# Altium PCB SwarmBotv1.PcbDoc (part 1 of 2)
Units mil, origin at the board's own origin, x right, y up, seen from the top; angles counter-clockwise.
Board outline 2362.21 x 3543.31 mil, 4 copper layers (L1 (signal), Int1 (GND), Int2 (PWR), L4 (signal)), stack 30.945 mil thick; 75 components, 57 nets, 268 pads, 175 vias.
Unrouted connection lines stored in the file: 7.
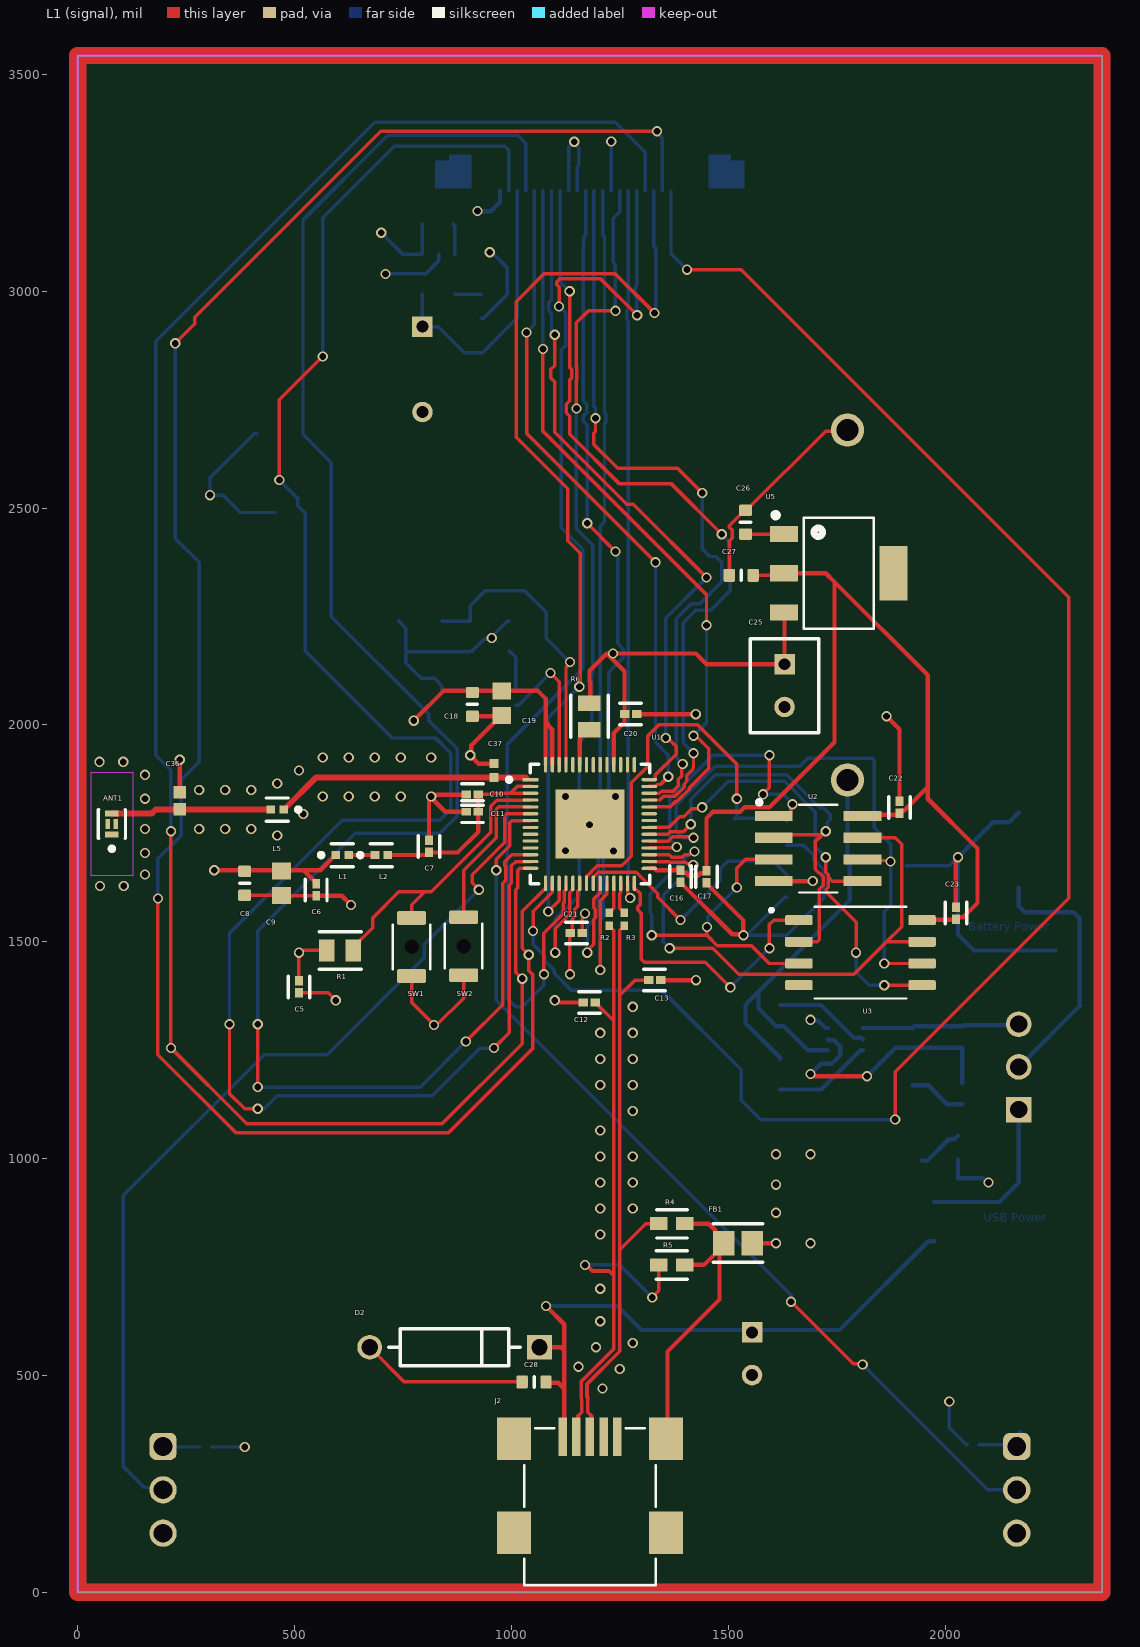
[diagram p0: L1 (signal) view]
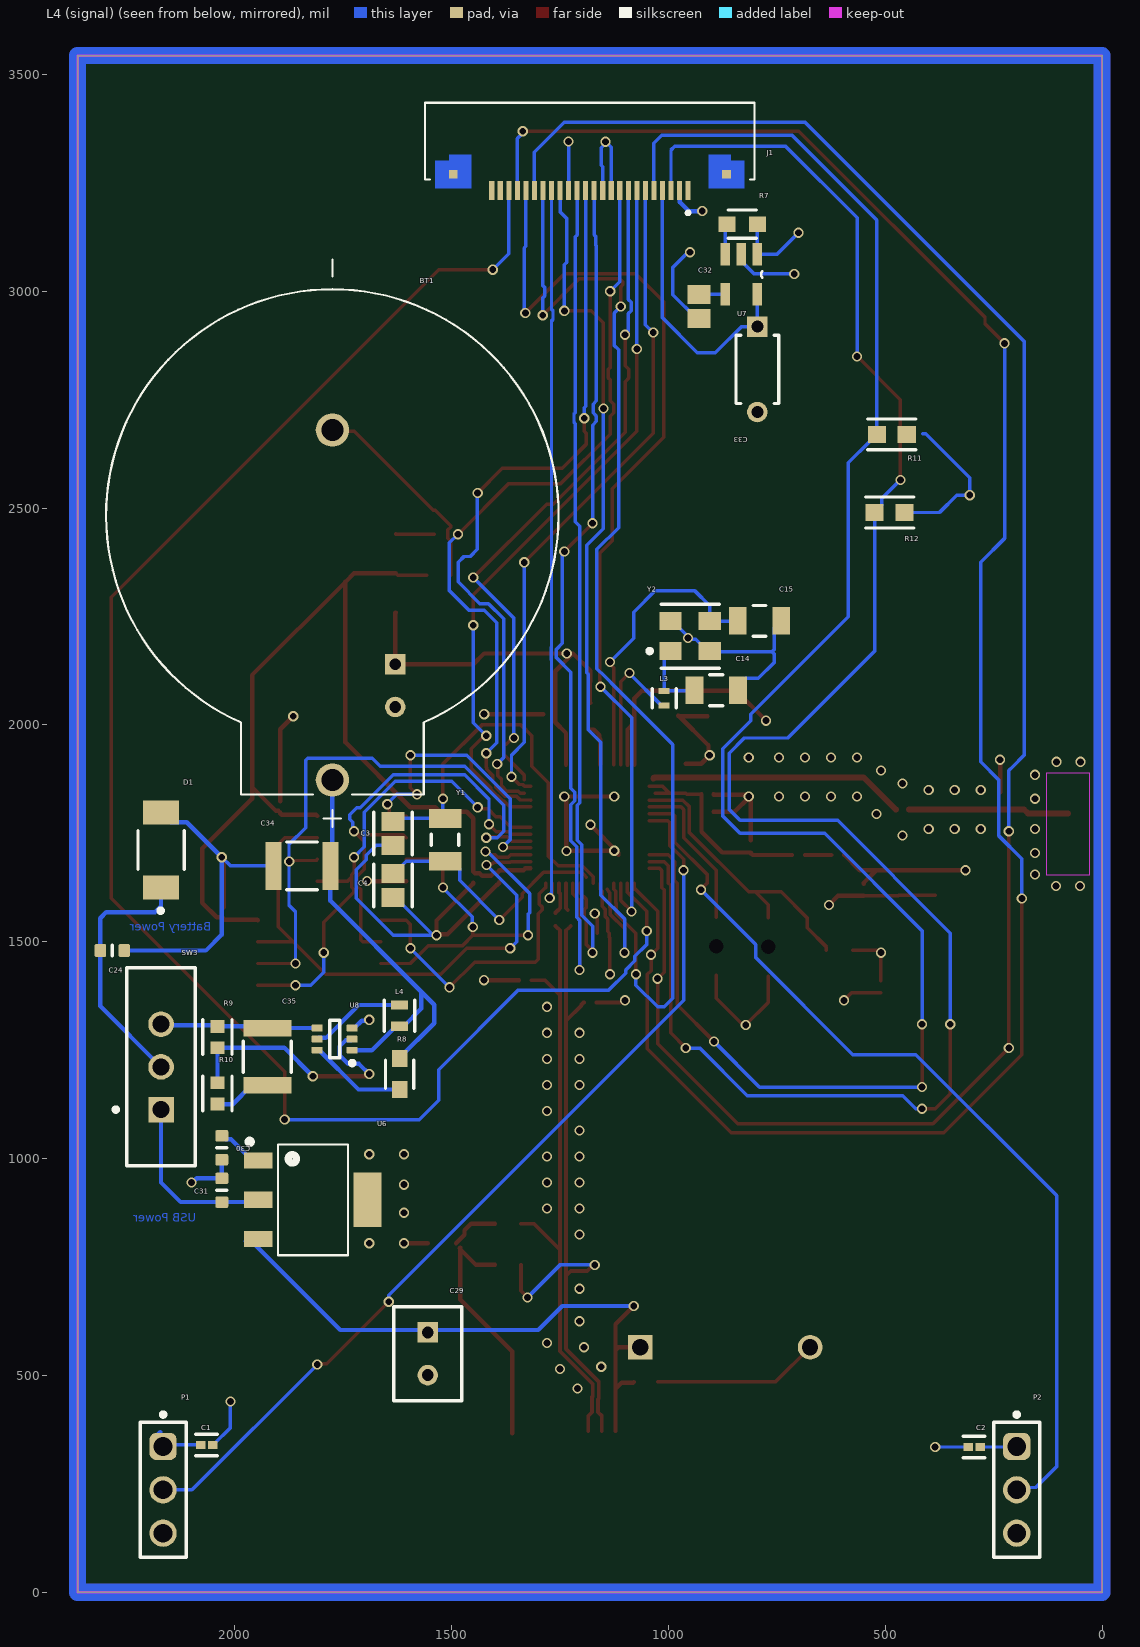
[diagram p1: L4 (signal) view, seen from below]
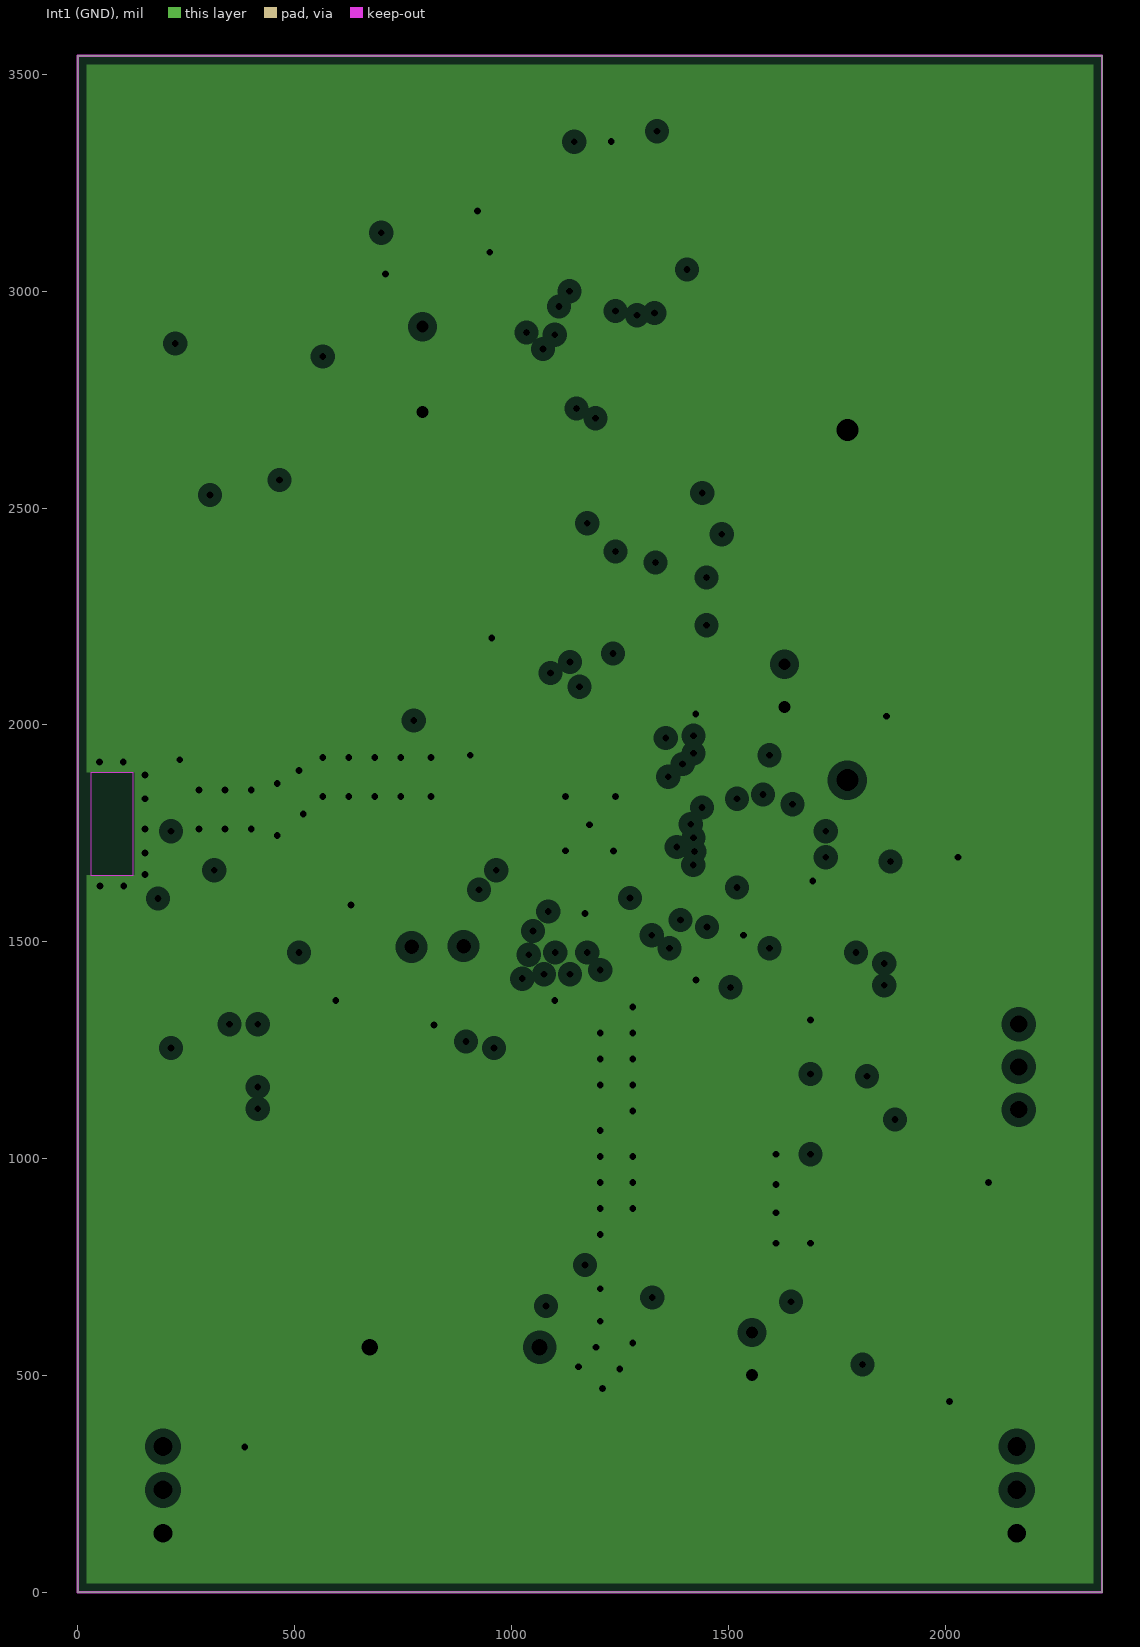
[diagram p2: Int1 (GND), clearances drawn from the general rule]
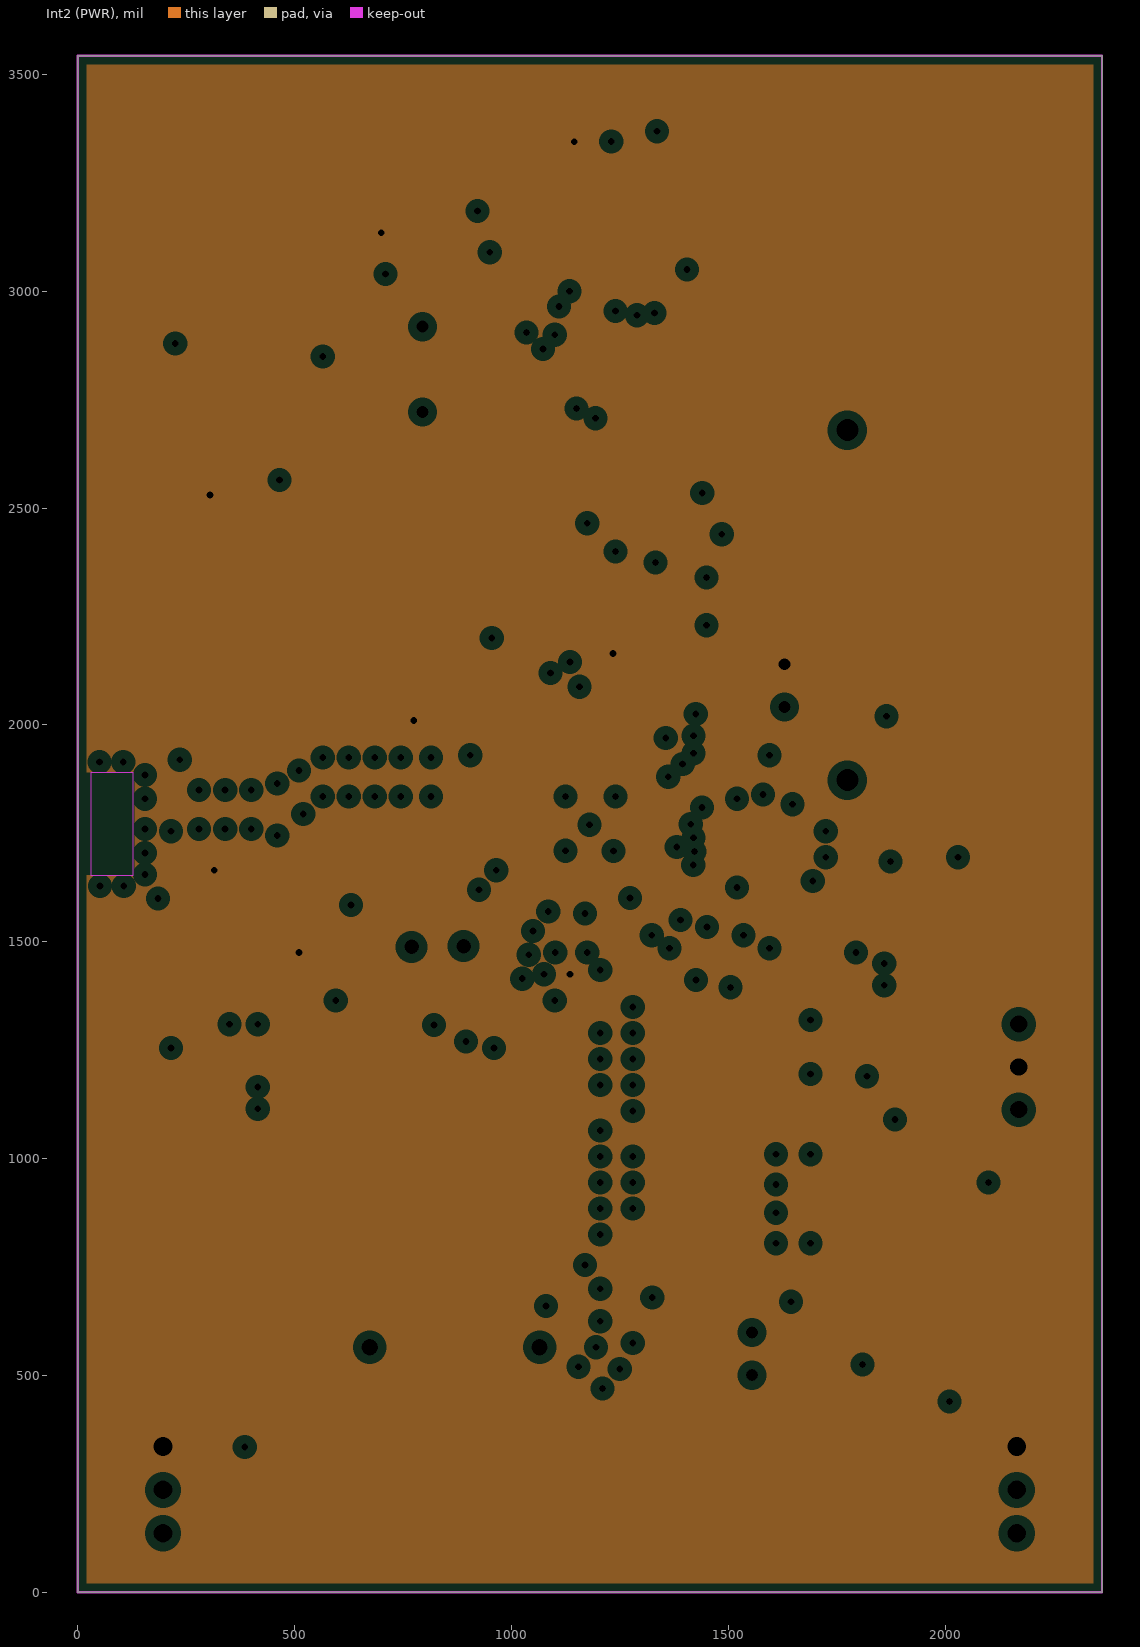
[diagram p3: Int2 (PWR), clearances drawn from the general rule]
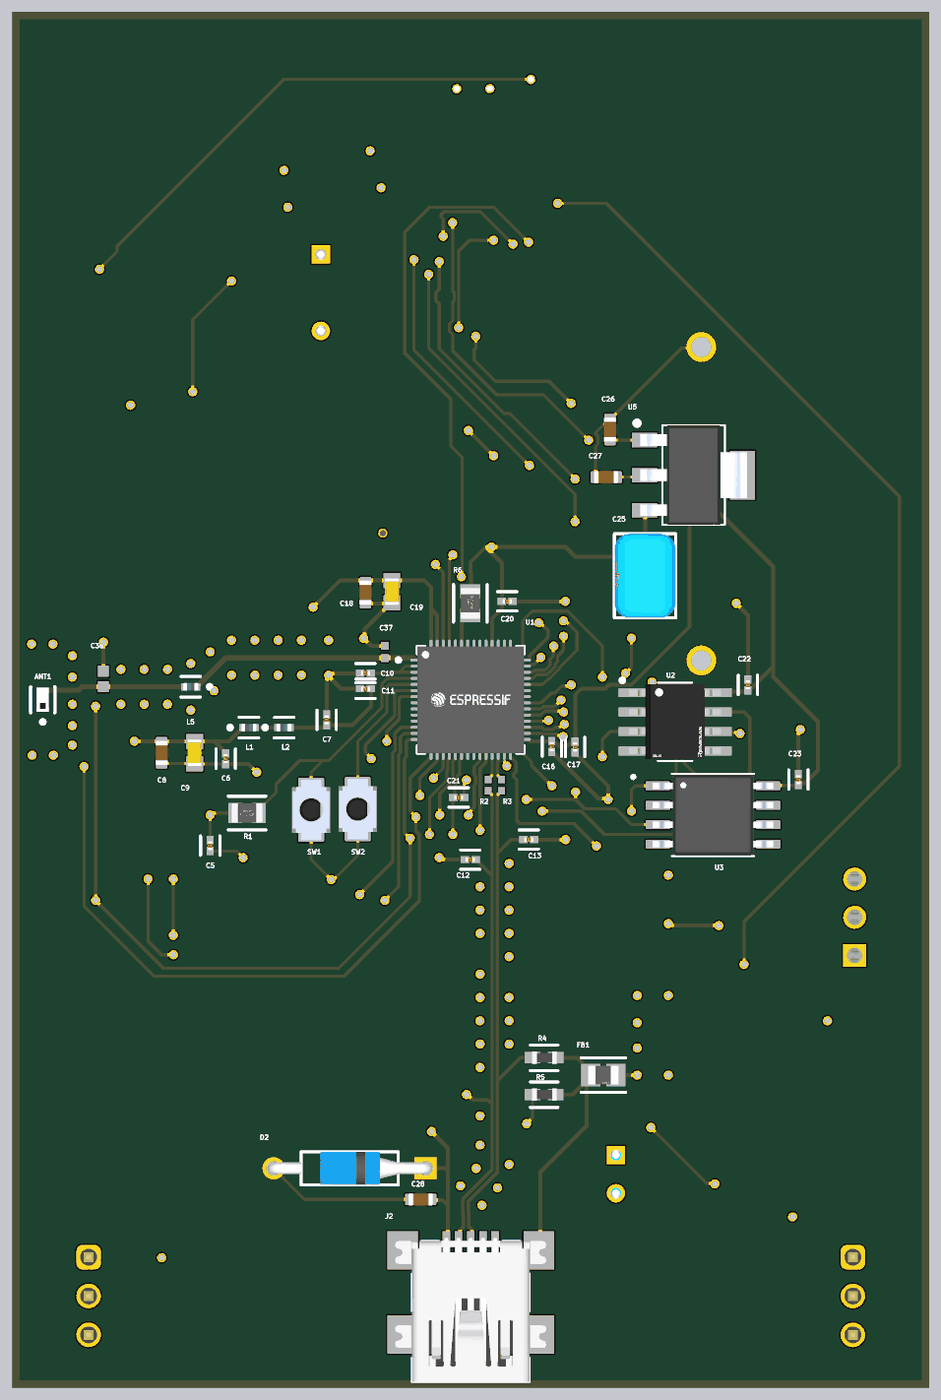
[diagram p5: 3D render of the assembled board from above, using the file's embedded part models]
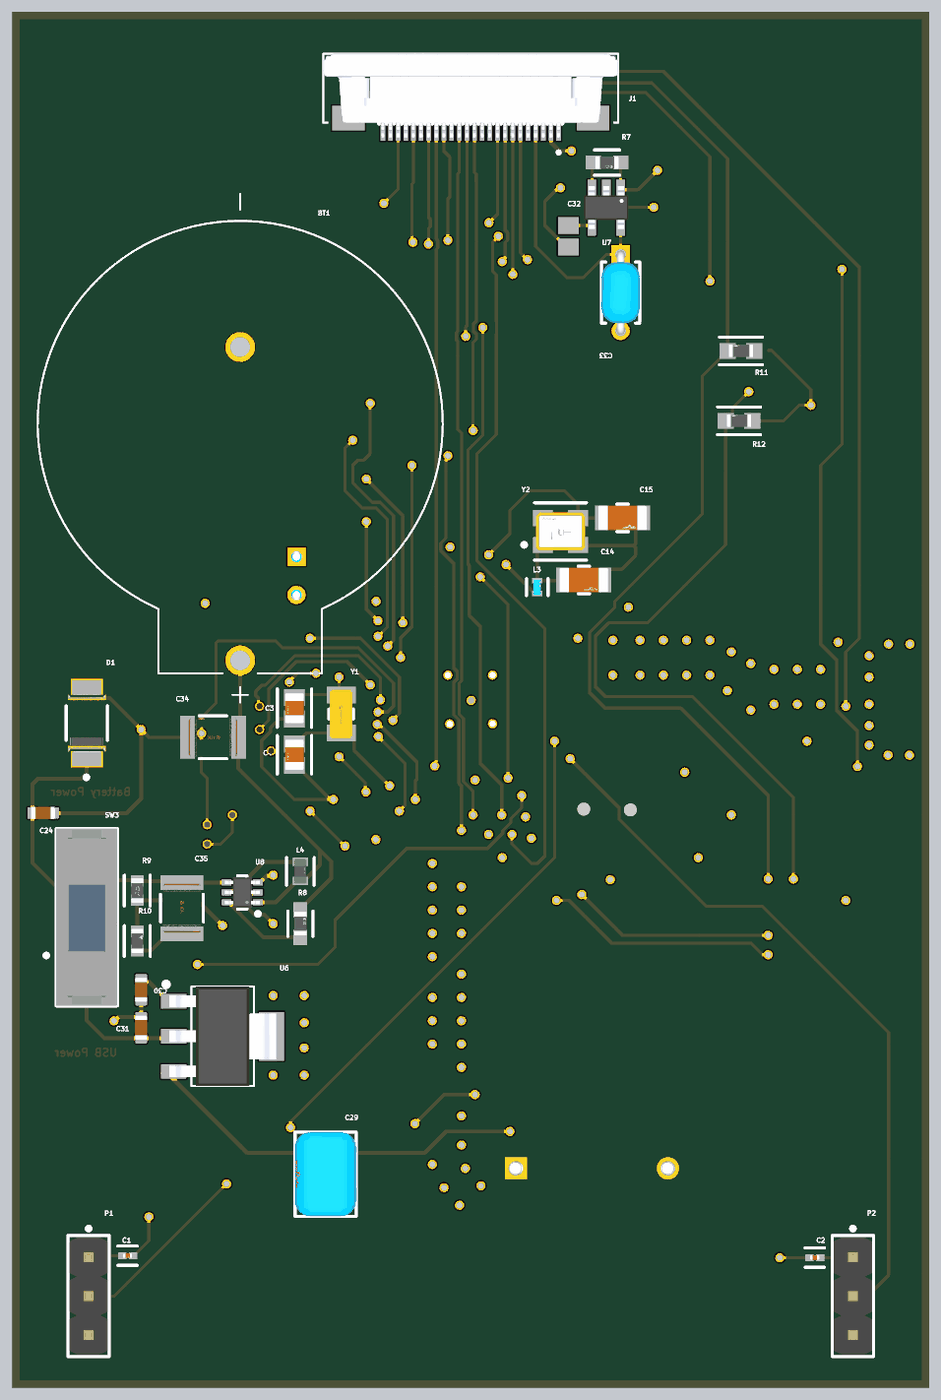
[diagram p6: 3D render of the assembled board from below, using the file's embedded part models]

## Layer stack, top to bottom
Top Solder: solder mask 0.591, SM-001, Dk 3.8
L1 (signal): signal copper 1.378
Dielectric 1: prepreg 7.992, 7628, Dk 4.4
Int1 (GND): plane copper 1.181, net GND
Dielectric 3: core 9.843, Core-039, Dk 4.6
Int2 (PWR): plane copper 1.181, net 3.3V
Dielectric 5: prepreg 7.992, 7628, Dk 4.4
L4 (signal): signal copper 1.378
Bottom Solder: solder mask 0.591, SM-001, Dk 3.8

## Board outline
0,0 0,3543.31 2362.21,3543.31 2362.21,0

## Design rules (kind name [scope] priority, off if disabled: settings)
Clearance [All] p1: gap=8 ignorepadtopadclearanceinfootprint=FALSE except(6: Arc-Arc Arc-Track Arc-SMDPad Track-Track Track-SMDPad SMDPad-SMDPad SMDPad-THPad SMDPad-Via SMDPad-Fill SMDPad-Poly SMDPad-Region SMDPad-Text SMDPad-Hole)
DiffPairsRouting USB_Routing [InDifferentialPairClass('All Differential Pairs')] p1: maxlimit=5 minlimit=5 mostfreqgap=5 toplayer_minwidth=8.56 toplayer_maxwidth=8.56 toplayer_prefwidth=8.56 bottomlayer_minwidth=8.56 bottomlayer_maxwidth=8.56 bottomlayer_prefwidth=8.56 impedanceprofiledriven=TRUE impedanceprofileid={D13E2B88-2D53-482B-92E4-BA02B88C4186} impedanceprofilevalue=90.000000 maxuncoupledlength=500
PlaneClearance [All] p1: clearance=20
PlaneConnect [All] p1: planeconnectstyle=Relief reliefexpansion=20 reliefentries=4 reliefconductorwidth=10 reliefairgap=10
PolygonConnect [All] p1: connectstyle=Relief reliefconductorwidth=10 reliefentries=4 polygonreliefangle="90 Angle" airgapwidth=10
RoomDefinition RxTx [InComponentClass('RxTx')] p1: confinementstyle=ConfineIn formatcopy=TRUE lockcomponents=FALSE outline 0,0 2000,0 2000,1000 0,1000
RoutingVias [All] p1: holewidth=15.75 width=23.62 viastyle="Through Hole" minholewidth=15.75 minwidth=23.62 maxholewidth=15.75 maxwidth=23.62
SolderMaskExpansion [All] p1: expansion=4 istentingtop=FALSE
SupplyNets "Schematic Supply Nets_6" [InNet('Vbat')] p1: voltage=0.000
SupplyNets "Schematic Supply Nets_5" [InNet('VBUS')] p2: voltage=0.000
SupplyNets "Schematic Supply Nets_4" [InNet('3.0V')] p3: voltage=0.000
SupplyNets "Schematic Supply Nets_3" [InNet('GND')] p4: voltage=0.000
SupplyNets "Schematic Supply Nets_2" [InNet('3.3V')] p5: voltage=0.000
SupplyNets "Schematic Supply Nets_1" [InNet('3.3VUSB')] p6: voltage=0.000
SupplyNets "Schematic Supply Nets" [InNet('1.8V')] p7: voltage=0.000
Width RF_I_O [InNetClass('RF Traces')] p1: maxlimit=13.52 minlimit=13.52 preferedwidth=13.52 impedanceprofiledriven=TRUE impedanceprofileid={36498D46-AF5C-479B-B286-B4D2CF897D17} impedanceprofilevalue=50.000000 minimp=50.000000 maximp=50.000000 favimp=50.000000
Width [All] p2: maxlimit=20 minlimit=8 preferedwidth=10 minimp=50.000000 maximp=50.000000 favimp=50.000000
27 further rules are at their usual default settings.

## Classes and differential pairs
net class Y[9..2]: Y2 Y3 Y4 Y5 Y6 Y7 Y8 Y9
component class USB: C1 C2 C28 C29 C30 C31 D2 FB1 J2 P1 P2 R4 R5 U6
component class RxTx: ANT1 C3 C4 C5 C6 C7 C8 C9 C10 C11 C12 C13 C14 C15 C16 C17 C18 C19 C20 C21 C24 C36 C37 D1 L1 L2 L3 L5 R1 R2 R3 R6 SW1 SW2 SW3 U1 Y1 Y2
component class PowerReg: C34 C35 L4 R8 R9 R10 U8
component class Flash&PSRAM: C22 C23 C25 C26 C27 U2 U3 U5
component class Cam: C32 C33 J1 R7 R11 R12 U7
differential pair USB1: +USB1_P -USB1_N
differential pair USB: +USB_P -USB_N

## Components (designator, comment, footprint, x,y, rotation, side; value= is the part's Value field where it differs from the comment)
ANT1 "ANT016008LCS2442MA2" FP-ANT016008LCS2442MA2-0 78.74,1771.65 r90 top
BT1 "122-3124-GR" BAT_122-3124-GR 1775,2483.15 r270 bottom
C1 "GRM033Z71C104KE14J" FP-GRM033-0_03-IPC_A 2065,340 r180 bottom
C2 "GRM033Z71C104KE14J" FP-GRM033-0_03-IPC_A 295,335 r0 bottom
C3 "GRM21A5C2E120FW01D" FP-GRM21A-0_2-IPC_C 1635,1750 r270 bottom
C4 "GRM21A5C2E120FW01D" FP-GRM21A-0_2-IPC_C 1635,1630 r270 bottom
C5 "0.1uF" FP-GRM033-0_03-IPC_A 510,1396.05 r270 top
C6 "0.1uF" FP-GRM033-0_03-IPC_A 550,1620 r270 top
C7 "0.1uF" FP-GRM033-0_03-IPC_A 810,1720 r90 top
C8 "Capacitor 10µF +/-20% 10V 0603" CAPC0603(1608)100_L#1 385,1635 r270 top value=10µF
C9 "Capacitor 1uF +/- 10% 16V 0603" CAPC1608X90X35ML15T15 470,1635 r270 top value=1µF
C10 ".1uF" FP-GRM033-0_03-IPC_A 910,1840 r180 top
C11 ".1uF" FP-GRM033-0_03-IPC_A 910,1800 r180 top
C12 "0.1uF" FP-GRM033-0_03-IPC_A 1180,1360 r180 top
C13 "0.1uF" FP-GRM033-0_03-IPC_A 1330.56,1411.58 r0 top
C14 "12pF" FP-GRM31A-0_2-e0_3_0_95-MFG 889.8,2080 r180 bottom
C15 "12pF" FP-GRM31A-0_2-e0_3_0_95-MFG 790,2240 r180 bottom
C16 ".1uF" FP-GRM033-0_03-IPC_A 1390,1651.05 r270 top
C17 ".1uF" FP-GRM033-0_03-IPC_A 1450,1650 r270 top
C18 "Capacitor 10µF +/-20% 10V 0603" CAPC0603(1608)100_L#1 910,2047.56 r270 top value=10µF
C19 "Capacitor 1uF +/- 10% 16V 0603" CAPC1608X90X35ML15T15 978.03,2050 r270 top value=1µF
C20 "0.1uF" FP-GRM033-0_03-IPC_A 1275,2025 r0 top
C21 "0.1uF" FP-GRM033-0_03-IPC_A 1150,1520 r0 top
C22 ".1uF" FP-GRM033-0_03-IPC_A 1895,1810 r90 top
C23 ".1uF" FP-GRM033-0_03-IPC_A 2025,1566.05 r90 top
C24 "Capacitor 10µF +/-20% 10V 0603" CAPC0603(1608)100_L#1 2282.44,1480 r180 bottom value=10µF
C25 "4.7uF" FP-RDE3P1-MFG 1630,2090.79 r270 top
C26 "10uF" CAPC0603(1608)100_L#2 1540,2467.56 r90 top value=10µF
C27 "10uF" CAPC0603(1608)100_L#1 1530,2345 r180 top value=10µF
C28 "Capacitor 10µF +/-20% 10V 0603" CAPC0603(1608)100_L#1 1052.44,485 r180 top value=10µF
C29 "4.7uF" FP-RDE3P1-MFG 1555,550 r270 bottom
C30 "10uF" CAPC0603(1608)100_L#1 2030,1025 r270 bottom value=10µF
C31 "10uF" CAPC0603(1608)100_L#1 2030,927.06 r90 bottom value=10µF
C32 "10nF" CAPC2013X140X50LL20T25 930,2965 r270 bottom
C33 "1uF" FP-RCE1K1-MFG 795,2820 r270 bottom
C34 "10uF" FP-CGA6P-IPC_B 1845,1675 r0 bottom
C35 "10uF" FP-CGA6P-IPC_B 1925,1235 r270 bottom
C36 "1.5pF" CAPC0402(1005)60_M 235,1825.31 r90 top
C37 "2.2pF" CAPC0402(1005)60_L 960,1895 r90 top
D1 "PTVS3V3P1UP,115" FP-SOD128-MFG 2170,1711.61 r90 bottom
D2 "TVS305E3" FP-BODY-A-MFG 869.13,565 r180 top
FB1 "BLM21PG221SN1D" FP-BLM21-0_2-t0_85-e0_5-IPC_B 1522.49,805 r0 top
J1 "F32R-1A7H1-11024" AMPHENOL_F32R-1A7H1-11024 1181.1,3346.46 r0 bottom
J2 "651305142821" 651305142821 1181.1,196.85 r0 top
L1 "1nH" FP-LQG15HH_02-IPC_C 609.9,1700 r0 top
L2 "1nH" FP-LQG15HH_02-IPC_C 700.1,1700 r0 top
L3 "24nH" FP-LQW15AN_00-W0_5-0_1-MFG 1010,2061.73 r90 bottom
L4 "4.7uH" FP-LBMF1608-0_8-0_2-MFG 1620,1329.61 r90 bottom
L5 "1.8nH" FP-LQG15HH_02-IPC_C 460,1805 r180 top
P1 "61300311121" 61300311121 2165.35,236.22 r270 bottom
P2 "61300311121" 61300311121 196.85,236.22 r270 bottom
R1 "10K" FP-CRGP0805-IPC_C 605,1480 r0 top value=10KΩ
R2 "22" RESC1005X40X25LL05T10 1225.56,1551.81 r270 top
R3 "22" RESC1005X40X25LL05T10 1260.56,1551.81 r270 top
R4 "CG0603MLC-05LE" FP-CG0603-MFG 1370.08,850 r0 top value=0.5pF
R5 "CG0603MLC-05LE" FP-CG0603-MFG 1370,755 r0 top value=0.5pF
R6 "10K" FP-CRGP0805-IPC_C 1180,2020 r90 top value=10KΩ
R7 "10k" FP-CPF0603-MFG 830,3155 r0 bottom value=10KΩ
R8 "10k" FP-CPF0603-MFG 1620,1195 r270 bottom value=10KΩ
R9 "180K" FP-CRGP0603-IPC_C 2040,1280.32 r90 bottom value=180KΩ
R10 "1M" FP-CRGP0603-IPC_C 2040,1150.32 r270 bottom
R11 "AC0603JR-7W10KL" FP-AC0603-IPC_A 485,2670 r0 bottom
R12 "AC0603JR-7W10KL" FP-AC0603-IPC_A 490,2490 r0 bottom
SW1 "B3U-1000P-B" OMRON-B3U-1000P-2-B_V 770,1488.07 r270 top
SW2 "B3U-1000P-B" OMRON-B3U-1000P-2-B_V 890,1490 r270 top
SW3 "EG1218" ESWI-EG1218_V 2170,1211.57 r90 bottom
U1 "ESP32-S3R8" FP-ESP32-S3R8-IPC_A 1181.1,1771.65 r0 top
U2 "AT25FF321A-SSHN-T" M8_15_MFG 1707.36,1715 r0 top
U3 "W25Q64JVSSIQ" SOIC127P790X216-8N 1805,1475 r0 top
U5 "SPX1117M3-L-1-8" SOT230P700X180-3N#1 1755,2350 r0 top
U6 "SPX1117M3-L-3-3/TR" SOT230P700X180-3N#2 1820,905 r180 bottom
U7 "SPX3819M5-L-3-0" SOT95P280X145-5N 832,3039 r270 bottom
U8 "TPS61220DCKR" DCK0006A_L 1769.65,1275.59 r0 bottom
Y1 "ABS07-32.768KHZ-9-T" FP-ABS07-MFG 1515,1735 r270 bottom
Y2 "40.000MHZ" FP-ABM8-MFG 950,2205 r180 bottom
